# Altium PCB RFC_MB.PcbDoc (part 32 of 37)
Units mm, origin at the board's own origin, x right, y up, seen from the top; angles counter-clockwise.
Board outline 440 x 340 mm, 6 copper layers (TopLayer, PlaneGnd, PlanePwr, MidLayer3, MidLayer4, BottomLayer); 1264 components, 1336 nets, 5034 pads, 876 vias.
Unrouted connection lines stored in the file: 2433.
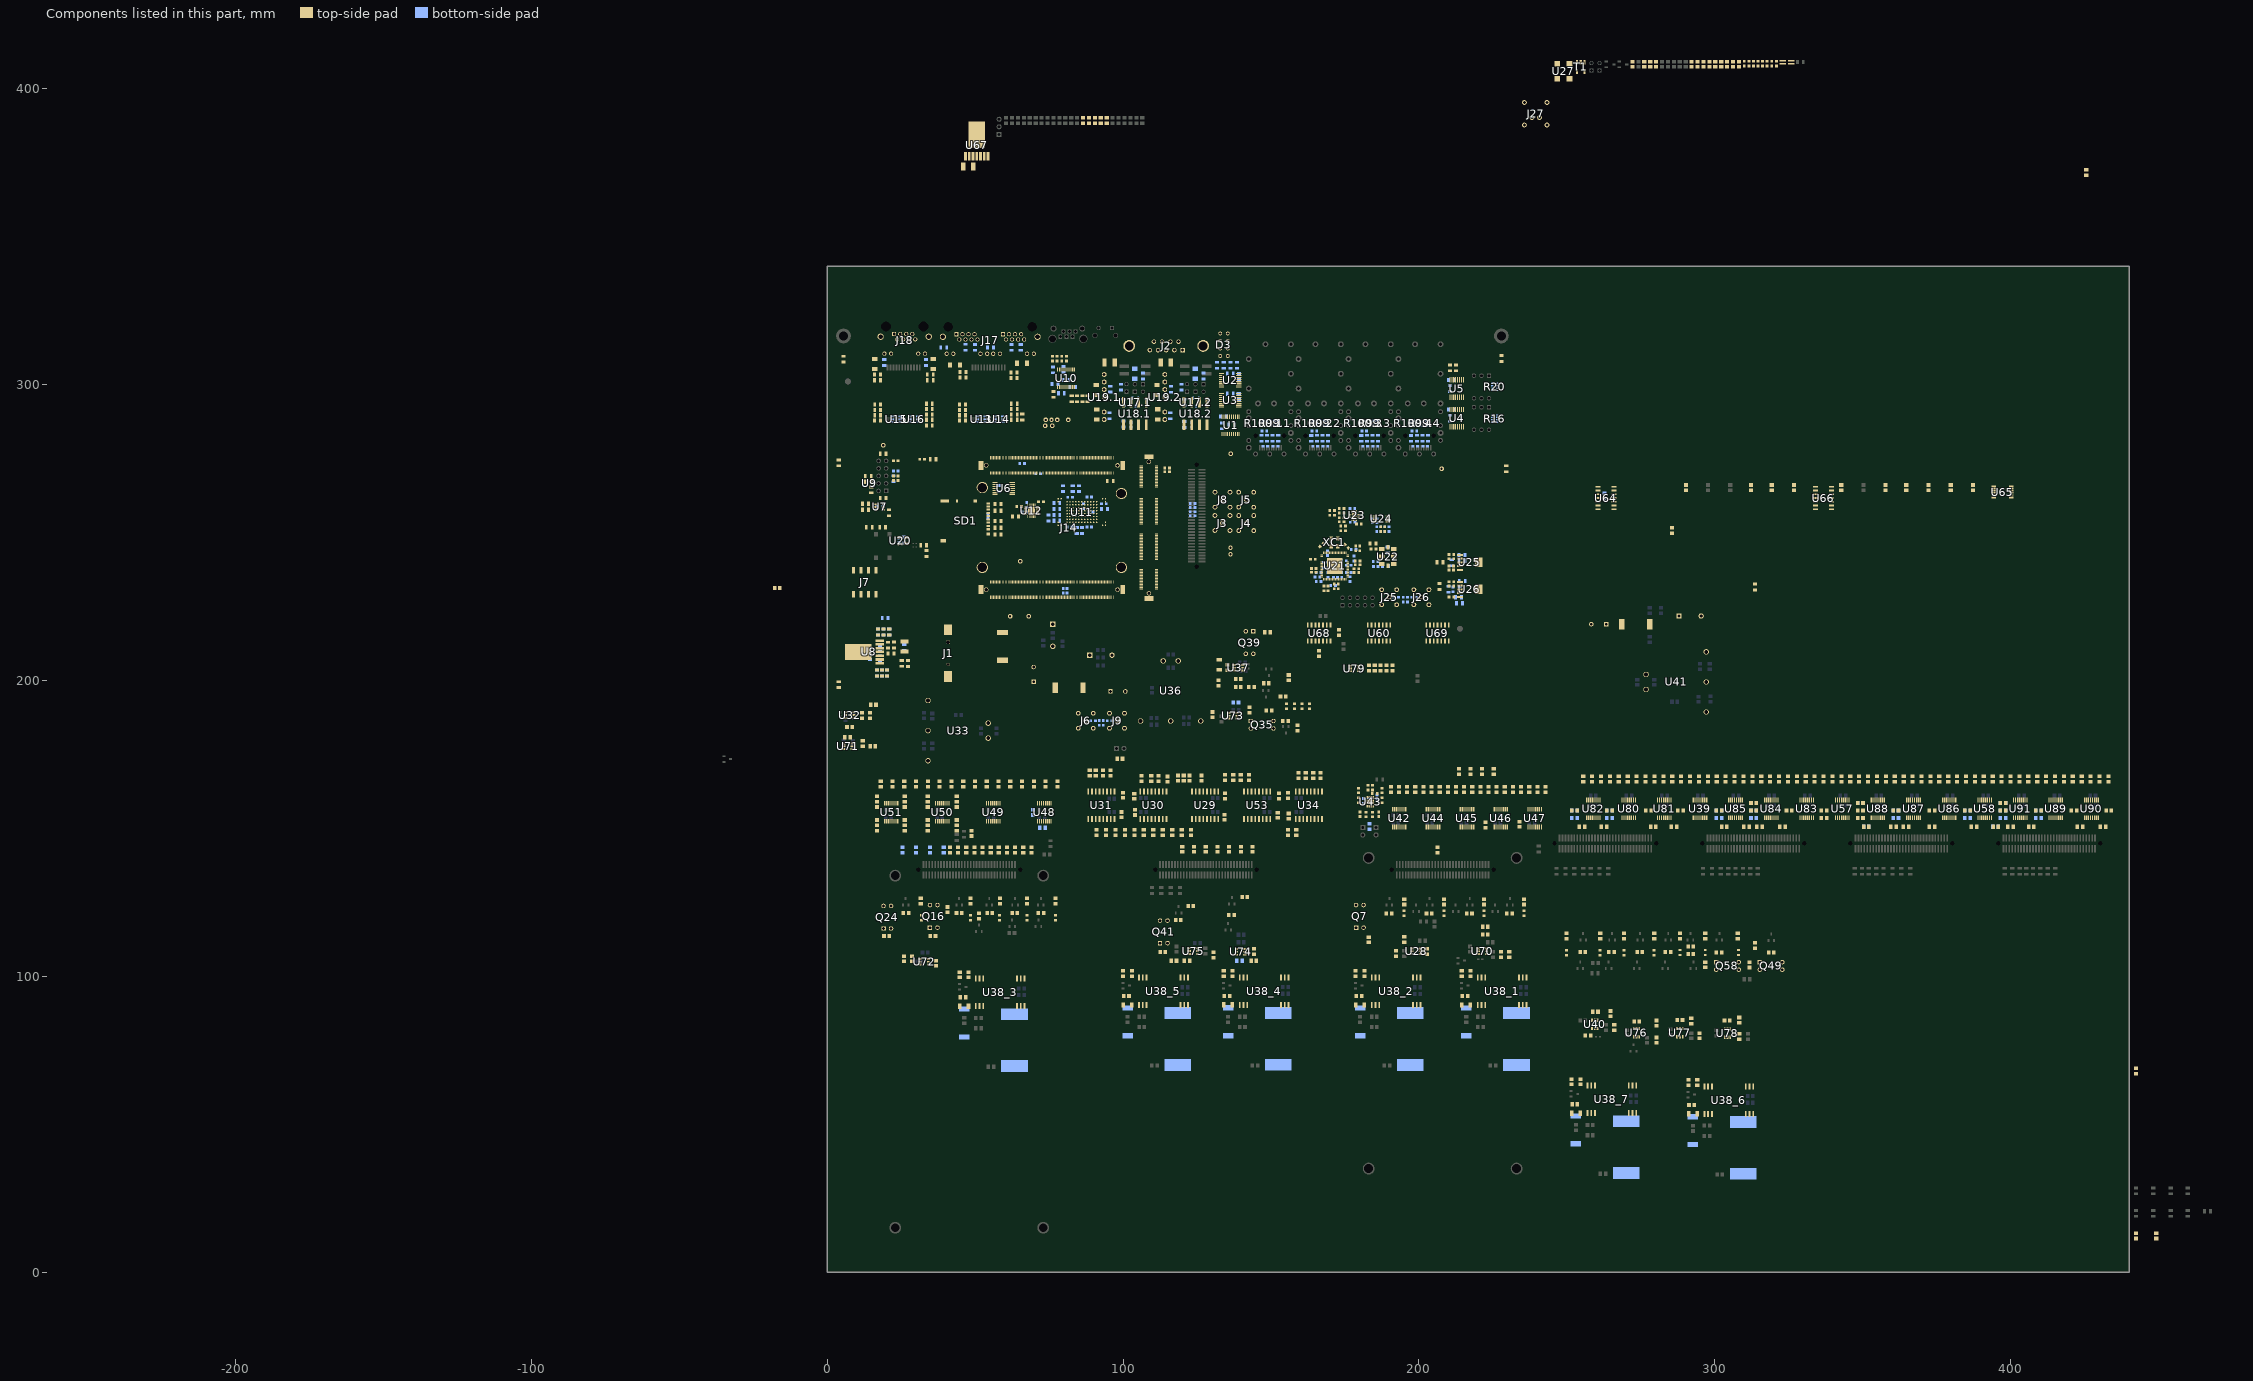
[diagram p36: the components of this part, seen from the top]

## Components (designator, comment, footprint, x,y, rotation, side; value= is the part's Value field where it differs from the comment) (continued)
R41 "1kΩ" RESC2012N 14.875,264.375 r90 top value=1k?
R42 "22Ω" RESC1608N 23.16,267.56 r180 top value=22?
R43 "DNP" RESC2012N 18.925,261.675 r180 top
R44 "100Ω" RESC1608N 23.16,274.21 r180 top value=100?
R45 "DNP" RESC2012N 22.375,268.125 r270 bottom
R46 "100Ω" RESC1608N 23.16,269.11 r180 top value=100?
R47 "100Ω" RESC1608N 65.875,273.275 r180 bottom value=100?
R48 "DNP" RESC2012N 18.925,276.575 r180 top
R49 "10kΩ" RESC2012N 13.875,269.05 r180 top value=10k?
R50 "51kΩ" RESC2012N 76.485,296.66 r90 top value=51k?
R51 "51kΩ" RESC2012N 76.26,304.935 r90 bottom value=51k?
R52 "22Ω" RESC1608N 80.835,308.703 r90 top value=22?
R53 "1kΩ" RESC2012N 86.225,295.175 r90 top value=1k?
R54 "22Ω" RESC1608N 79.26,308.703 r90 top value=22?
R55 "1kΩ" RESC2012N 88.025,295.175 r90 top value=1k?
R56 "1kΩ" RESC2012N 84.425,295.175 r90 top value=1k?
R57 "1kΩ" RESC2012N 82.625,295.175 r90 top value=1k?
R58 "22Ω" RESC1608N 77.685,308.703 r90 top value=22?
R59 "22Ω" RESC1608N 76.11,308.703 r90 top value=22?
R60 "10kΩ" RESC2012N 77.6,257.925 r0 bottom value=10k?
R61 "10kΩ" RESC2012N 85.05,264.775 r270 bottom value=10k?
R62 "10kΩ" RESC2012N 79.75,264.775 r270 bottom value=10k?
R63 "10kΩ" RESC2012N 83,264.775 r270 bottom value=10k?
R64 "10kΩ" RESC2012N 77.6,259.925 r0 bottom value=10k?
R65 "10kΩ" RESC2012N 86.125,250.675 r90 bottom value=10k?
R66 "10kΩ" RESC2012N 77.6,255.925 r0 bottom value=10k?
R67 "10kΩ" RESC2012N 77.6,253.925 r0 bottom value=10k?
R68 "10kΩ" RESC2012N 84.325,250.675 r90 bottom value=10k?
R69 "10kΩ" RESC2012N 74.75,254.875 r90 bottom value=10k?
R70 "10kΩ" RESC2012N 63.675,255.375 r180 top value=10k?
R71 "22Ω" RESC1608N 64.875,258.8 r180 top value=22?
R72 "22Ω" RESC1608N 72.25,260.375 r0 top value=22?
R73 "10kΩ" RESC2012N 57.7,249.325 r180 top value=10k?
R74 "10kΩ" RESC2012N 57.7,251.575 r180 top value=10k?
R75 "10kΩ" RESC2012N 57.7,253.825 r180 top value=10k?
R76 "10kΩ" RESC2012N 57.7,257.325 r180 top value=10k?
R77 "10kΩ" RESC2012N 57.7,259.575 r180 top value=10k?
R78 "75Ω" RESC2012N 45.91,304.16 r0 top value=75?
R79 "150Ω" RESC2012N 39.385,312.485 r0 bottom value=150?
R80 "75Ω" RESC2012N 45.91,302.31 r0 top value=75?
R81 "75Ω" RESC2012N 46.76,312.56 r270 bottom value=75?
R82 "75Ω" RESC2012N 63.16,302.16 r180 top value=75?
R83 "75Ω" RESC2012N 49.96,312.535 r270 bottom value=75?
R84 "75Ω" RESC2012N 63.16,303.985 r180 top value=75?
R85 "150Ω" RESC2012N 55.175,312.475 r0 bottom value=150?
R86 "75Ω" RESC2012N 62.335,312.535 r270 bottom value=75?
R87 "75Ω" RESC2012N 65.41,312.535 r270 bottom value=75?
R88 "75Ω" RESC2012N 17.035,303.335 r0 top value=75?
R89 "75Ω" RESC2012N 17.035,301.435 r0 top value=75?
R90 "150Ω" RESC2012N 19.275,307.4 r90 bottom value=150?
R91 "75Ω" RESC2012N 34.81,301.435 r180 top value=75?
R92 "150Ω" RESC2012N 33.375,307.45 r90 bottom value=150?
R93 "75Ω" RESC2012N 34.81,303.335 r180 top value=75?
R94.1 "62Ω" RESC2012N 99.25,299.075 r90 bottom value=62? (schematic designator R94)
R94.2 "62Ω" RESC2012N 119.725,299.075 r90 bottom value=62? (schematic designator R94)
R95.1 "22Ω" RESC1608N 102.7,286.35 r270 bottom value=22? (schematic designator R95)
R95.2 "22Ω" RESC1608N 123.175,286.35 r270 bottom value=22? (schematic designator R95)
R96.1 "62Ω" RESC2012N 106.75,302.85 r90 bottom value=62? (schematic designator R96)
R96.2 "62Ω" RESC2012N 127.225,302.85 r90 bottom value=62? (schematic designator R96)
R97.1 "22Ω" RESC1608N 105.3,286.4 r270 bottom value=22? (schematic designator R97)
R97.2 "22Ω" RESC1608N 125.775,286.4 r270 bottom value=22? (schematic designator R97)
R98 "51kΩ" RESC2012N 26.775,247.3 r270 top value=51k?
R99.1 "CAY16-1002F4LF" CAY16-J4 152.43,286 r90 bottom value=10k? (schematic designator R99)
R99.2 "CAY16-1002F4LF" CAY16-J4 169.305,286 r90 bottom value=10k? (schematic designator R99)
R99.3 "CAY16-1002F4LF" CAY16-J4 186.18,286 r90 bottom value=10k? (schematic designator R99)
R99.4 "CAY16-1002F4LF" CAY16-J4 203.055,286 r90 bottom value=10k? (schematic designator R99)
R100.1 "CAY16-1002F4LF" CAY16-J4 148.68,286 r90 bottom value=10k? (schematic designator R100)
R100.2 "CAY16-1002F4LF" CAY16-J4 165.555,286 r90 bottom value=10k? (schematic designator R100)
R100.3 "CAY16-1002F4LF" CAY16-J4 182.43,286 r90 bottom value=10k? (schematic designator R100)
R100.4 "CAY16-1002F4LF" CAY16-J4 199.305,286 r90 bottom value=10k? (schematic designator R100)
R101 "0Ω" RESC2012N 206.925,231.7 r270 top value=0?
R102 "1kΩ" RESC2012N 213.7,226.075 r0 bottom value=1k?
R103 "0Ω" RESC2012N 207.075,239.9 r0 top value=0?
R104 "1kΩ" RESC2012N 211.05,239.725 r90 bottom value=1k?
R105 "5.1kΩ" RESC2012N 188.675,238.675 r0 bottom value=5.1k?
R106 "5.1kΩ" RESC2012N 189.425,244.025 r90 bottom value=5.1k?
R107 "51Ω" RESC2012N 184.425,246.25 r180 top value=51?
R108 "22Ω" RESC1608N 184.625,244.425 r180 top value=22?
R109 "820Ω" RESC1608N 180,244.625 r270 top value=820?
R110 "100Ω" RESC1608N 175.55,245.325 r315 top value=100?
R111 "100Ω" RESC1608N 167.075,245.775 r45 top value=100?
R112 "100Ω" RESC1608N 178.025,241.175 r270 bottom value=100?
R113 "91Ω" RESC1608N 173.85,254.95 r180 top value=91?
R114 "91Ω" RESC1608N 173.85,253.6 r180 top value=91?
R115 "22Ω" RESC1608N 170.95,232.1 r180 bottom value=22?
R116 "68Ω" RESC1608N 179.7,252.825 r0 top value=68?
R117 "91Ω" RESC1608N 173.85,256.6 r0 top value=91?
R118 "91Ω" RESC1608N 173.85,258.05 r0 top value=91?
R119 "DNP" RESC1608N 187.075,251.125 r90 bottom
R120 "DNP" RESC1608N 185.7,251.1 r270 bottom
R121 "22Ω" RESC1608N 187.075,251.125 r90 top value=22?
R122 "22Ω" RESC1608N 188.45,251.125 r90 top value=22?
R123 "DNP" RESC1608N 188.45,251.125 r90 bottom
R124 "DNP" RESC1608N 189.825,251.125 r270 bottom
R125 "22Ω" RESC1608N 164.125,240.925 r180 top value=22?
R126 "100Ω" RESC1608N 192.325,228.1 r180 bottom value=100?
R127 "100Ω" RESC1608N 194.7,227.3 r90 bottom value=100?
R128 "100Ω" RESC1608N 198.45,228.1 r0 bottom value=100?
R129 "100Ω" RESC1608N 196.1,227.3 r90 bottom value=100?
R130 "5.1kΩ" RESC2012N 209.923,230.775 r90 bottom value=5.1k?
R131 "12kΩ" RESC2012N 213.325,228.1 r180 bottom value=12k?
R132 "DNP" SMD0805RES 308.145,407.194 r90 top
R133 "22" SMD0805RES 306.145,407.194 r90 top
R134 "510" SMD0805RES 300.145,407.194 r90 top
R135 "DNP" SMD0805RES 294.145,407.194 r90 top
R136 "430" SMD0805RES 292.145,407.194 r90 top
R137 "52.3" SMD0805RES 298.145,407.194 r90 top
R138 "1k5" SMD0805RES 296.145,407.194 r90 top
R139 "1k6" SMD0805RES 302.145,407.194 r90 top
R140 "22" SMD0805RES 304.145,407.194 r90 top
R141 "22" SMD0805RES 278.145,407.194 r90 top
R142 "DNP" SMD0805RES 280.145,407.194 r90 top
R143 "1k1" SMD0805RES 276.145,407.194 r90 top
R144 "1k" SMD0805RES 272.145,407.194 r90 top
R145 "100k" SMD0805RES 51.277,119.323 r90 top
R146 "10k" SMD0805RES 222.002,124.148 r90 top
R147 "100k" SMD0805RES 216.015,121.248 r0 top
R148 "1k" SMD0805RES 262.748,261.348 r90 bottom
R149 "5k6" SMD0805RES 194.998,113.402 r270 top
R150 "430" SMD0805RES 192.252,106.648 r90 top
R151 "100k" SMD0805RES 144.248,109.402 r270 top
R152 "5k6" SMD0805RES 230.502,106.348 r90 top
R153 "120" SMD0805RES 267.536,165.648 r90 top
R154 "10k" SMD0805RES 235.502,124.148 r90 top
R155 "430" SMD0805RES 227.752,106.348 r90 top
R156 "3k" SMD0805RES 195.002,124.148 r90 top
R157 "680k" SMD0805RES 188.848,121.248 r0 top
R158 "100k" SMD0805RES 303.148,84.998 r0 top
R159 "56k" SMD0805RES 182.998,113.352 r270 top
R160 "100k" SMD0805RES 223.402,114.127 r180 top
R161 "10k" SMD0805RES 223.402,116.752 r180 top
R162 "100k" SMD0805RES 229.598,121.248 r0 top
R163 "430" SMD0805RES 308.252,78.598 r90 top
R164 "1k" SMD0805RES 208.502,124.148 r90 top
R165 "100k" SMD0805RES 204.435,121.252 r180 top
R166 "10k" SMD0805RES 58.402,124.398 r90 top
R167 "100k" SMD0805RES 53.923,121.423 r0 top
R168 "100k" SMD0805RES 202.748,109.402 r270 top
R169 "10k" SMD0805RES 48.402,124.398 r90 top
R170 "680k" SMD0805RES 43.598,121.423 r0 top
R171 "680k" SMD0805RES 40.698,123.502 r270 top
R172 "15k" SMD0805RES 14.598,191.748 r0 top
R173 "430" SMD0805RES 14.502,187.098 r90 top
R174 "110" RESC1608X64N 185.05,161.75 r0 top
R175 "56k" SMD0805RES 36.702,113.602 r180 top
R176 "15k" SMD0805RES 16.402,177.752 r180 top
R177 "10k" SMD0805RES 191.052,203.194 r90 top
R178 "10k" SMD0805RES 67.502,124.398 r90 top
R179 "100k" SMD0805RES 62.398,121.423 r0 top
R180 "10k" SMD0805RES 8.602,184.252 r180 top
R181 "430" SMD0805RES 11.998,179.652 r270 top
R182 "120" SMD0805RES 279.57,165.648 r90 top
R183 "120" SMD0805RES 255.502,165.648 r90 top
R184 "100k" SMD0805RES 11.748,189.102 r270 top
R185 "3k" SMD0805RES 31.602,124.398 r90 top
R186 "680k" SMD0805RES 25.598,121.423 r0 top
R187 "5k6" SMD0805RES 25.898,106.902 r270 top
R188 "100k" SMD0805RES 7.852,180.752 r180 top
R189 "430" SMD0805RES 28.698,106.902 r270 top
R190 "100k" SMD0805RES 36.798,105.402 r270 top
R191 "56k" SMD0805RES 21.102,113.602 r180 top
R192 "10k" SMD0805RES 278.148,150.498 r0 top
R193 "1k" SMD0805RES 77.102,124.398 r90 top
R194 "100k" SMD0805RES 71.298,121.423 r0 top
R195 "49.9" RESC1608X64N 184.267,154.7 r90 top
R196 "10k" RESC1608X64N 187.5,162.75 r90 top
R197 "49.9" RESC1608X64N 182.133,154.7 r270 top
R198 "5k1" SMD0805RES 132.248,200.102 r270 top
R199 "10k" SMD0805RES 155.102,194.502 r180 top
R200 "15k" SMD0805RES 139.902,197.752 r180 top
R201 "680k" SMD0805RES 149.402,199.002 r180 top
R202 "100k" SMD0805RES 130.252,187.398 r90 top
R203 "680k" SMD0805RES 155.998,201.902 r270 top
R204 "430" SMD0805RES 142.348,197.748 r0 top
R205 "10k" RESC1608X64N 179.5,162.75 r90 top
R206 "100k" SMD0805RES 135.252,203.348 r90 top
R207 "10k" SMD0805RES 254.098,150.498 r0 top
R208 "10k" SMD0805RES 158.998,184.902 r270 top
R209 "120" SMD0805RES 270.544,165.648 r90 top
R210 "680k" SMD0805RES 155.902,186.252 r180 top
R211 "680k" SMD0805RES 148.348,189.748 r0 top
R212 "430" SMD0805RES 139.102,192.498 r180 bottom
R213 "56k" SMD0805RES 142.75,191 r270 top
R214 "1k" SMD0805RES 130.498,108.152 r270 top
R215 "430" SMD0805RES 120.598,105.248 r0 top
R216 "10k" SMD0805RES 137.898,200.498 r0 top
R217 "10k" SMD0805RES 142.102,126.752 r180 top
R218 "5k6" SMD0805RES 143.148,105.248 r0 top
R219 "680k" SMD0805RES 135.598,120.748 r0 top
R220 "120" SMD0805RES 282.578,165.648 r90 top
R221 "10k" SMD0805RES 149.852,216.252 r180 top
R222 "3k" SMD0805RES 123.852,123.752 r180 top
R223 "15k" SMD0805RES -17.902,231.248 r0 top
R224 "680k" SMD0805RES 117.648,118.998 r0 top
R225 "5k1" SMD0805RES 116.148,105.248 r0 top
R226 "56k" SMD0805RES 114.402,108.252 r180 top
R227 "430" SMD0805RES 140.352,105.248 r180 bottom
R228 "10k" SMD0805RES 288.252,112.598 r90 top
R229 "5k6" SMD0805RES 292.002,83.898 r90 top
R230 "100k" SMD0805RES 292.852,110.002 r180 top
R231 "10k" SMD0805RES 256.148,79.998 r0 top
R232 "100k" SMD0805RES 292.852,107.502 r180 top
R233_1 "1k" SMD0805RES 214.448,101.906 r270 top (schematic designator R233)
R233_2 "1k" SMD0805RES 178.598,101.906 r270 top (schematic designator R233)
R233_3 "1k" SMD0805RES 44.798,101.506 r270 top (schematic designator R233)
R233_4 "1k" SMD0805RES 133.997,101.929 r270 top (schematic designator R233)
R233_5 "1k" SMD0805RES 99.998,101.906 r270 top (schematic designator R233)
R233_6 "1k" SMD0805RES 291.048,65.106 r270 top (schematic designator R233)
R233_7 "1k" SMD0805RES 251.548,65.356 r270 top (schematic designator R233)
R234 "100k" SMD0805RES 258.598,87.998 r0 top
R235 "100k" SMD0805RES 272.598,84.748 r0 top
R236 "10k" SMD0805RES 307.752,112.598 r90 top
R237 "680k" SMD0805RES 318.052,107.998 r0 top
R238 "120" SMD0805RES 261.519,165.648 r90 top
R239 "680k" SMD0805RES 313.502,109.348 r90 top
R240 "10k" SMD0805RES 276.598,155.998 r0 top
R241_1 "1k" SMD0805RES 217.448,101.906 r270 top (schematic designator R241)
R241_2 "1k" SMD0805RES 181.598,101.906 r270 top (schematic designator R241)
R241_3 "1k" SMD0805RES 47.798,101.506 r270 top (schematic designator R241)
R241_4 "1k" SMD0805RES 136.997,101.929 r270 top (schematic designator R241)
R241_5 "1k" SMD0805RES 102.998,101.906 r270 top (schematic designator R241)
R241_6 "1k" SMD0805RES 294.048,65.106 r270 top (schematic designator R241)
R241_7 "1k" SMD0805RES 254.548,65.356 r270 top (schematic designator R241)
R242 "56k" SMD0805RES 311.752,102.848 r90 top
R243 "100k" SMD0805RES 287.148,85.248 r0 top
R244 "10k" SMD0805RES 279.502,112.598 r90 top
R245 "100k" SMD0805RES 283.148,108.248 r0 top
R246 "10k" SMD0805RES 251.598,155.998 r0 top
R247 "5k6" SMD0805RES 308.248,86.152 r270 top
R248 "430" SMD0805RES 294.748,80.902 r270 top
R249 "15k" SMD0805RES 280.248,85.152 r270 top
R250 "15k" SMD0805RES 264.752,86.348 r90 top
R251 "10k" SMD0805RES 269.252,112.598 r90 top
R252 "100k" SMD0805RES 273.598,108.248 r0 top
R253_1 "1k" SMD0805RES 216.552,93.302 r180 top (schematic designator R253)
R253_2 "1k" SMD0805RES 180.702,93.302 r180 top (schematic designator R253)
R253_3 "1k" SMD0805RES 46.902,92.902 r180 top (schematic designator R253)
R253_4 "1k" SMD0805RES 136.1,93.325 r180 top (schematic designator R253)
R253_5 "1k" SMD0805RES 102.102,93.302 r180 top (schematic designator R253)
R253_6 "1k" SMD0805RES 293.152,56.502 r180 top (schematic designator R253)
R253_7 "1k" SMD0805RES 253.652,56.752 r180 top (schematic designator R253)
R254 "430" SMD0805RES 280.252,77.398 r90 top
R255 "1k" SMD0805RES 387.198,264.123 r90 top
R256 "120" SMD0805RES 273.553,165.648 r90 top
R257 "430" SMD0805RES 266.002,81.648 r90 top
R258 "3k" SMD0805RES 296.752,112.598 r90 top
R259 "680k" SMD0805RES 300.348,107.998 r0 top
R260 "56k" SMD0805RES 296.752,102.898 r90 top
R261 "1k" SMD0805RES 249.802,112.598 r90 top
R262 "100k" SMD0805RES 254.348,108.248 r0 top
R263 "1k" SMD0805RES 261.252,112.598 r90 top
R264 "100k" SMD0805RES 264.098,108.248 r0 top
R265 "120" SMD0805RES 190.502,162.148 r90 top
R266 "120" SMD0805RES 193.252,162.148 r90 top
R267 "120" SMD0805RES 196.002,162.148 r90 top
R268 "120" SMD0805RES 198.748,164.152 r270 top
R269 "1k" SMD0805RES 425.502,370.598 r90 top
R270 "0" RESC1608X64N 179.5,159.5 r90 top
R271 "0" RESC1608X64N 187.5,159.5 r90 top
R272 "DNP" SMD0805RES 68.998,143.702 r270 top
R273 "DNP" SMD0805RES 66.252,141.698 r90 top
R274 "120" SMD0805RES 201.498,164.152 r270 top
R275 "49.9" SMD0805RES 183.248,149.598 r90 bottom
R276 "DNP" SMD0805RES 63.498,143.702 r270 top
R277 "DNP" SMD0805RES 60.752,141.698 r90 top
R278 "120" SMD0805RES 204.252,162.148 r90 top
R279 "DNP" SMD0805RES 57.998,143.702 r270 top
R280 "10k" SMD0805RES 34.002,150.898 r90 top
R281 "DNP" SMD0805RES 55.248,143.702 r270 top
R282 "120" SMD0805RES 207.002,162.148 r90 top
R283 "120" SMD0805RES 209.748,164.152 r270 top
R284 "120" SMD0805RES 223.502,162.148 r90 top
R285 "10k" SMD0805RES 233.998,152.352 r270 top
R286 "1k" SMD0805RES 213.502,168.148 r90 top
R287 "120" SMD0805RES 226.252,162.148 r90 top
R288 "1k" SMD0805RES 217.418,168.148 r90 top
R289 "1k" SMD0805RES 206.252,141.648 r90 top
R290 "1k" SMD0805RES 372.198,264.123 r90 top
R291 "1k" SMD0805RES 240.002,162.148 r90 top
R291 "1k" SMD0805RES 234.502,162.148 r90 top
R292 "120" SMD0805RES 212.502,162.148 r90 top
R293 "10k" SMD0805RES 222.498,152.152 r270 top
R294 "120" SMD0805RES 215.252,162.148 r90 top
R295 "1k" SMD0805RES 237.252,162.148 r90 top
R296 "120" SMD0805RES 217.998,164.152 r270 top
R297 "120" SMD0805RES 220.752,162.148 r90 top
R298 "120" SMD0805RES 229.002,162.148 r90 top
R299 "1k" SMD0805RES 231.752,162.148 r90 top
R300 "1k" SMD0805RES 221.335,168.148 r90 top
R301 "1k" SMD0805RES 225.252,168.148 r90 top
R302 "120" SMD0805RES 242.752,162.148 r90 top
R303 "DNP" SMD0805RES 48.798,149.302 r270 top
R304 "10k" SMD0805RES 33.998,159.102 r270 top
R305 "DNP" SMD0805RES 52.498,143.702 r270 top
R306 "10k" SMD0805RES 71.798,150.202 r0 bottom
R307 "10k" SMD0805RES 69.5,156.4 r270 bottom
R308 "DNP" SMD0805RES 49.752,141.698 r90 top
R309 "10k" SMD0805RES 43.798,159.102 r270 top
R310 "DNP" SMD0805RES 47.002,141.698 r90 top
R311 "DNP" SMD0805RES 44.252,141.698 r90 top
R312 "10k" SMD0805RES 43.802,150.898 r90 top
R313 "DNP" SMD0805RES 41.498,143.702 r270 top
R314 "DNP" SMD0805RES 39.398,141.698 r90 bottom
R315 "0" SMD0805RES 43.802,149.098 r90 top
R316 "0" SMD0805RES 43.798,160.902 r270 top
R317 "0" SMD0805RES 33.998,160.902 r270 top
R318 "0" SMD0805RES 34.002,149.098 r90 top
R319 "DNP" SMD0805RES 34.732,141.698 r90 bottom
R320 "DNP" SMD0805RES 30.065,141.698 r90 bottom
R321 "DNP" SMD0805RES 25.398,141.698 r90 bottom
R322 "10k" SMD0805RES 16.802,150.898 r90 top
R323 "10k" SMD0805RES 16.798,159.102 r270 top
R324 "DNP" SMD0805RES 155.752,147.598 r90 top
R325 "10k" SMD0805RES 26.198,159.102 r270 top
R326 "10k" SMD0805RES 26.202,150.898 r90 top
R327 "0" SMD0805RES 26.202,149.098 r90 top
R328 "0" SMD0805RES 26.198,160.902 r270 top
R329 "0" SMD0805RES 16.8,160.902 r270 top
R330 "0" SMD0805RES 16.802,149.098 r90 top
R331 "1k" SMD0805RES 77.802,163.998 r90 top
R332 "1k" SMD0805RES 73.822,163.998 r90 top
R333 "1k" SMD0805RES 69.842,163.998 r90 top
R334 "1k" SMD0805RES 65.862,163.998 r90 top
R335 "1k" SMD0805RES 61.882,163.998 r90 top
R336 "1k" SMD0805RES 57.902,163.998 r90 top
R337 "1k" SMD0805RES 49.942,163.998 r90 top
R338 "1k" SMD0805RES 53.922,163.998 r90 top
R339 "1k" SMD0805RES 45.962,163.998 r90 top
R340 "DNP" SMD0805RES 97.898,173.498 r0 top
R341 "1k" SMD0805RES 155.748,162.102 r270 top
R342 "DNP" SMD0805RES 155.998,155.102 r270 top
R343 "DNP" SMD0805RES 152.748,161.902 r270 top
R344 "1k" SMD0805RES 152.248,155.402 r270 top
R345 "DNP" SMD0805RES 134.498,161.902 r270 top
R346 "1k" SMD0805RES 134.25,154.75 r270 top
R347 "1k" SMD0805RES 103.748,161.852 r270 top
R348 "DNP" SMD0805RES 103.998,156.402 r270 top
R349 "1k" SMD0805RES 99.998,162.152 r270 top
R350 "DNP" SMD0805RES 99.498,155.602 r270 top
R351 "120" SMD0805RES 291.603,165.648 r90 top
R352 "120" SMD0805RES 339.739,165.648 r90 top
R353 "120" SMD0805RES 387.875,165.648 r90 top
R354 "10k" SMD0805RES 335.848,153.498 r0 top
R355 "10k" SMD0805RES 386.598,150.498 r0 top
R356 "120" SMD0805RES 294.612,165.648 r90 top
R357 "120" SMD0805RES 342.747,165.648 r90 top
R358 "120" SMD0805RES 390.883,165.648 r90 top
R359 "10k" SMD0805RES 335.848,155.998 r0 top
R360 "10k" SMD0805RES 384.398,155.998 r0 top
R361 "120" SMD0805RES 297.62,165.648 r90 top
R362 "120" SMD0805RES 345.756,165.648 r90 top
R363 "120" SMD0805RES 393.892,165.648 r90 top
R364 "10k" SMD0805RES 350.152,156.002 r180 top
R365 "10k" SMD0805RES 398.402,156.002 r180 top
R366 "120" SMD0805RES 300.629,165.648 r90 top
R367 "120" SMD0805RES 348.764,165.648 r90 top
R368 "120" SMD0805RES 396.9,165.648 r90 top
R369 "10k" SMD0805RES 350.152,153.502 r180 top
R370 "1k" SMD0805RES 41.982,163.998 r90 top
R371 "1k" SMD0805RES 38.002,163.998 r90 top
R372 "1k" SMD0805RES 34.022,163.998 r90 top
R373 "10k" SMD0805RES 395.902,150.502 r180 top
R374 "0" SMD0805RES 393.848,150.502 r0 bottom
R375 "0" SMD0805RES 396.348,156.002 r0 bottom
R376 "0" SMD0805RES 386.402,155.998 r180 bottom
R377 "0" SMD0805RES 384.398,153.502 r0 bottom
R378 "1k" SMD0805RES 30.042,163.998 r90 top
R379 "1k" SMD0805RES 26.062,163.998 r90 top
R380 "1k" SMD0805RES 22.082,163.998 r90 top
R381 "1k" SMD0805RES 18.102,163.998 r90 top
R382 "DNP" SMD0805RES 158.502,147.598 r90 top
R383 "DNP" SMD0805RES 97.402,147.598 r90 top
R384 "DNP" SMD0805RES 94.202,147.598 r90 top
R385 "DNP" SMD0805RES 91.002,147.598 r90 top
R386 "1k" SMD0805RES 364.698,264.123 r90 top
R387 "1k" SMD0805RES 357.698,264.123 r90 top
R388 "1k" SMD0805RES 342.698,264.123 r90 top
R389 "1k" SMD0805RES 326.698,264.123 r90 top
R390 "1k" SMD0805RES 319.198,264.123 r90 top
R391 "1k" SMD0805RES 312.199,264.123 r90 top
R392 "10k" SMD0805RES 290.199,264.123 r90 top
R393 "1k" SMD0805RES 379.698,264.123 r90 top
R394 "DNP" SMD0805RES 143.752,141.898 r90 top
R395 "DNP" SMD0805RES 135.835,141.898 r90 top
R396 "DNP" SMD0805RES 139.793,141.898 r90 top
R397 "DNP" SMD0805RES 122.998,149.602 r270 top
R398 "DNP" SMD0805RES 131.877,141.898 r90 top
R399 "DNP" SMD0805RES 119.798,149.602 r270 top
R400 "DNP" SMD0805RES 127.918,141.898 r90 top
R401 "1k" SMD0805RES 88.474,388.194 r90 top
R402 "1k" SMD0805RES 86.474,388.194 r90 top
R403 "1k" SMD0805RES 90.474,388.194 r90 top
R404 "1k" SMD0805RES 94.474,388.194 r90 top
R405 "1k5" SMD0805RES 187.052,203.194 r90 top
R406 "10k" SMD0805RES 92.474,388.194 r90 top
R407 "10k" SMD0805RES 185.052,203.194 r90 top
R408 "100k" SMD0805RES 183.052,203.194 r90 top
R409 "10k" SMD0805RES 449.149,11.273 r90 top
R410 "1M" SMD0805RES 285.502,249.648 r90 top
R411 "DNP" SMD0805RES 116.598,149.602 r270 top
R412 "DNP" SMD0805RES 123.96,141.898 r90 top
R413 "DNP" SMD0805RES 103.798,149.602 r270 top
R414 "DNP" SMD0805RES 120.002,141.898 r90 top
R415 "DNP" SMD0805RES 106.998,149.602 r270 top
R416 "DNP" SMD0805RES 110.198,149.602 r270 top
R417 "DNP" SMD0805RES 113.398,149.602 r270 top
R418 "DNP" SMD0805RES 100.598,149.602 r270 top
R419 "120" SMD0805RES 159.252,166.848 r90 top
R420 "120" SMD0805RES 142.498,168.152 r270 top
R421 "120" SMD0805RES 161.748,168.852 r270 top
R422 "120" SMD0805RES 139.748,168.152 r270 top
R423 "1k" SMD0805RES 137.252,166.148 r90 top
R424 "1k" SMD0805RES 134.502,166.148 r90 top
R425 "1k" SMD0805RES 120.502,165.944 r90 top
R426 "DNP" SMD0805RES 118.502,165.944 r90 top
R427 "DNP" SMD0805RES 122.502,165.944 r90 top